# Altium PCB [01]-Robot.PcbDoc (part 2 of 2) (continued)
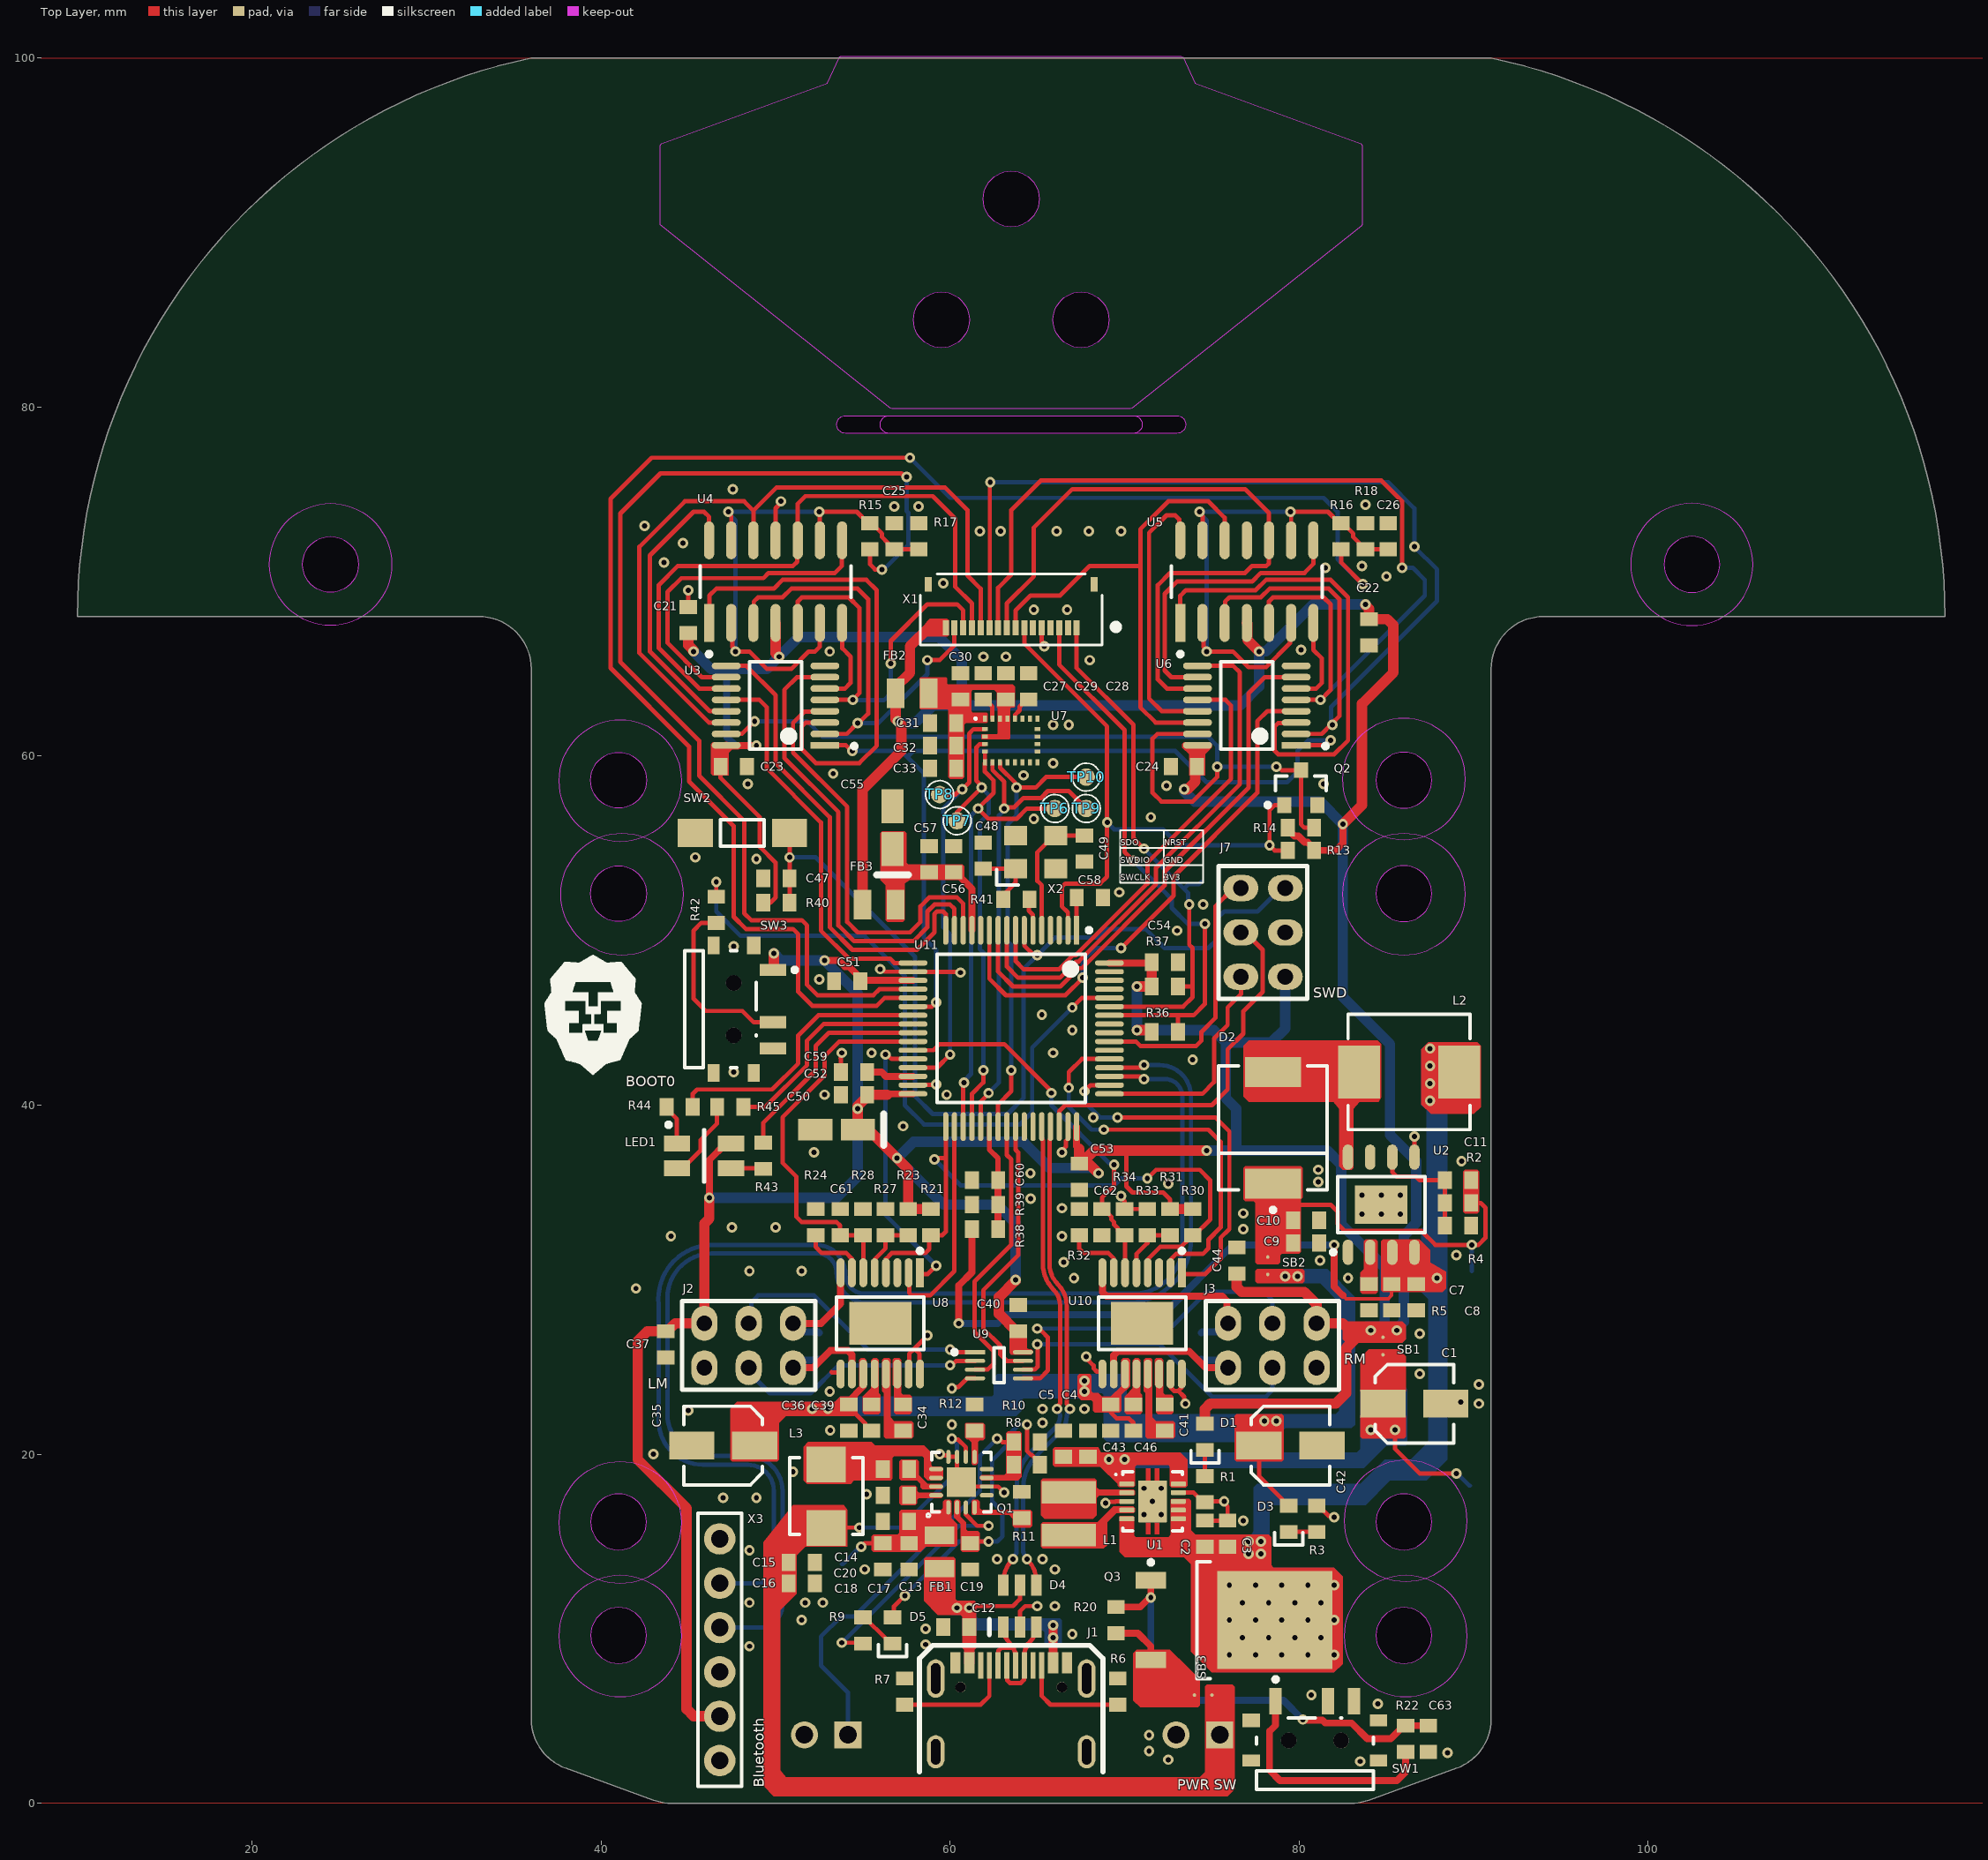
[diagram p0: Top Layer view]
## Nets (pads, with @x,y where several pads share a name; then routed paths per layer and width w, separated by ;. In a path a pad name is that pad's centre, name@x,y a point inside that pad or via, vN(x,y) a via of type N, cw(c..) or ccw(c..) an arc to the next point about the centre after c; other vN are vias at no path point) (continued)
NetD1_K: D1.K R1.2 | length 1.5
  Top Layer w0.25: R1.2@74.6,18.75 D1.K@74.6,20.25
NetD2_2: D2.2 L2.2 U2.8
NetD3_K: D3.K R3.2 | length 1.6
  Top Layer w0.25: D3.K@79.4,15.55 R3.2@81,15.55
NetD5_K: D5.K R9.2 | length 2.3
  Top Layer w0.25: R9.2@55,10.65 55.1,10.65 56.325,9.425 56.425,9.425 D5.K@56.7,9.15
NetJ1_A5: J1.A5 R7.2 | length 6.8
  Top Layer w0.25: R7.2@57.4,5.65 61.75,5.65 62.25,6.15 J1.A5@62.25,7.9
NetJ1_B5: J1.B5 R6.2 | length 6.3
  Top Layer w0.25: J1.B5@65.25,7.9 65.25,6.15 65.75,5.65 R6.2@69.6,5.65
NetJ6_1: J6.1 Q1.7 R8.1 R10.2 | length 23.3
  Top Layer w0.25: v1(62.7,20.9) 62.795,20.9 62.995,20.7 R10.2@63.65,20.7
  Bottom Layer w0.25: J6.1@54.15,3.925 54.15,6.35 52.6,7.9 52.6,9.554 53.746,10.7 54.5,10.7 61.7,17.9 61.7,19.9 v1(62.7,20.9)
NetL1_1: L1.1 U1.4
NetL1_2: L1.2 U1.2
NetLED1_2: LED1.2 R43.2 | length 1.9
  Top Layer w0.25: LED1.2@47.45,36.39 49.26,36.39 R43.2@49.3,36.35
NetLED1_3: LED1.3 R44.2 | length 2.3
  Top Layer w0.25: R44.2@43.75,39.9 43.75,39.8 44.35,39.2 LED1.3@44.35,37.807
NetLED1_4: LED1.4 R45.2 | length 4.7
  Top Layer w0.25: LED1.4@44.35,36.393 44.675,36.718 45.018,36.718 45.7,37.4 45.7,38 46.65,38.95 R45.2@46.65,39.9
NetQ1_3: Q1.3 R9.1 | length 14.4
  Top Layer w0.25: v1(53.8,9.2) 54.95,9.2 R9.1@55,9.15 ; Q1.3@60.9,16.95 60.9,16.544 61.544,15.9 v1(62.2,15.9)
  Bottom Layer w0.25: v1(53.8,9.2) 60.5,15.9 v1(62.2,15.9)
NetQ1_4: Q1.4 R11.2
NetQ1_9: Q1.9 R12.2
NetR5_2: R5.2 U2.2
NetR22_1: R22.1 SW1.1 | length 13.5
  Top Layer w0.4: SW1.1@78.65,5.85 78.65,4.475 78.3,4.125 78.3,1.9 78.9,1.3 85.6,1.3 86.1,1.8 R22.1@86.1,2.95
NetR23_1: R23.1 R27.2 U8.5 | length 3.8
  Top Layer w0.25: U8.5@55.675,30.325 55.675,31.175 56.3,31.8 R27.2@56.3,32.55 R23.1@57.6,32.55
NetR24_2: R24.2 U8.7 | length 3.9
  Top Layer w0.25: R24.2@52.3,32.55 52.3,31.875 52.65,31.525 54.05,31.525 54.375,31.2 U8.7@54.375,30.325
NetR31_1: R31.1 R33.2 U10.5 | length 3.8
  Top Layer w0.25: U10.5@70.675,30.325 70.675,31.475 71.3,32.1 R33.2@71.3,32.55 R31.1@72.6,32.55
NetR32_2: R32.2 U10.7 | length 3.9
  Top Layer w0.25: R32.2@67.4,32.55 67.4,31.775 67.65,31.525 69.075,31.525 69.375,31.225 U10.7@69.375,30.325
NetR41_2: R41.2 U11.6 | length 2
  Top Layer w0.25: R41.2@64.5,51.9 64.5,51.15 64.75,50.9 U11.6@64.75,50.026
NetR42_2: R42.2 U11.60 | length 39.6
  Top Layer w0.25: R42.2@46.6,51.95 v1(46.6,52.8) ; v1(67,45.6) 67.55,46.15 U11.60@69.125,46.15
  Bottom Layer w0.25: v1(46.6,52.8) 46.6,51.1 48,49.7 55.1,49.7 57.4,47.4 57.4,40 58.5,38.9 64,38.9 64.7,39.6 64.7,43.3 v1(67,45.6)
NRST: C47.2 J7.5 R40.1 SW2.1 U11.7 | length 56.3
  Top Layer w0.25: R40.1@50.8,51.6 C47.2@50.8,53 v1(50.8,54.2) SW2.1@50.8,55.6 ; U11.7@64.25,50.025 64.25,49.15 64.8,48.6 v1(65,48.6)
  Bottom Layer w0.25: v1(50.8,54.2) 52.3,54.2 58,48.5 58,40.5 59,39.5 63.3,39.5 64.2,40.4 64.2,47.8 v1(65,48.6) 66,49.6 68.4,49.6 68.9,50.1 71.2,50.1 72.3,49 74.8,49 75.3,49.5 75.3,50.7 75.7,51.1 77.61,51.1 78.95,52.44 J7.5@79.2,52.44
PS_SET: U3.1 U6.1 U11.22 | length 50.1
  Top Layer w0.25: U3.1@52.825,60.625 54.028,60.625 v1@54.353,60.3 ; U11.22@57.875,45.65 58.95,45.65 v1(59.2,45.9) ; U6.1@79.825,60.625 81.525,60.625 v1(81.8,60.9)
  Bottom Layer w0.25: v1@54.421,60.3 57.2,60.3 57.6,59.9 ; v1(59.2,45.9) 59.2,48.9 58.5,49.6 58.5,59 57.6,59.9 ; v1(81.8,60.9) 80.5,60.9 79.9,60.3 79.9,59.1 79.3,58.5 74.7,58.5 72.9,60.3 57.9,60.3 57.6,60 57.6,59.9
  other v1: 54.4,60.3
PSOUT1: U3.4 U11.14 | length 24.7
  Top Layer w0.25: U3.4@52.825,62.575 52.8,62.55 51.65,62.55 51,61.9 51,60.2 54.1,57.1 54.1,50.5 54.7,49.9 57.7,49.9 58.3,50.5 58.3,51.4 58.8,51.9 60.4,51.9 60.75,51.55 U11.14@60.75,50.025
PSOUT2: U3.7 U11.15 | length 27.2
  Top Layer w0.25: U3.7@52.825,64.525 51.225,64.525 50.5,63.8 50.5,59.9 53.6,56.8 53.6,50.3 54.5,49.4 57.9,49.4 58.7,50.2 58.7,51.1 59.1,51.5 60,51.5 60.25,51.25 U11.15@60.25,50.025
PSOUT3: U3.9 U11.16 | length 27.8
  Top Layer w0.25: U3.9@47.175,65.175 48.325,65.175 50,63.5 50,59.6 53.1,56.5 53.1,50.2 54.4,48.9 58.1,48.9 59.1,49.9 59.1,50.954 59.246,51.1 59.6,51.1 59.75,50.95 U11.16@59.75,50.026
PSOUT4: U3.12 U11.17 | length 22.6
  Top Layer w0.25: U3.12@47.175,63.225 49.075,63.225 49.5,62.8 49.5,59.3 52.6,56.2 52.6,50 54.2,48.4 56.554,48.4 56.804,48.15 U11.17@57.875,48.15
PSOUT5: U6.4 U11.11 | length 31.1
  Top Layer w0.25: U11.11@62.25,50.025 62.25,47.25 63.2,46.3 66.6,46.3 v1(67.6,47.3) ; v1(69.8,49) 72.8,52 72.8,53.1 77.6,57.9 77.6,62 78.175,62.575 U6.4@79.825,62.575
  Bottom Layer w0.25: v1(67.6,47.3) 67.6,48.3 68.3,49 v1(69.8,49)
PSOUT6: U6.7 U11.10 | length 30.8
  Top Layer w0.25: U11.10@62.75,50.025 62.75,47.65 63.6,46.8 66.319,46.8 67.371,47.852 67.552,47.852 72.3,52.6 72.3,53.4 77.1,58.2 77.1,63.6 78.025,64.525 U6.7@79.825,64.525
PSOUT7: U6.9 U11.9 | length 29.8
  Top Layer w0.25: U11.9@63.25,50.025 63.25,47.95 63.9,47.3 66.286,47.3 67.215,48.229 67.362,48.229 71.8,52.667 71.8,53.6 76.6,58.4 76.6,64.8 76.225,65.175 U6.9@74.175,65.175
PSOUT8: U6.12 U11.8 | length 25.8
  Top Layer w0.25: U11.8@63.75,50.025 63.75,48.25 64.2,47.8 66.253,47.8 67.059,48.606 67.206,48.606 71.3,52.7 71.3,53.9 76.1,58.7 76.1,62.9 75.775,63.225 U6.12@74.175,63.225
Q1_SW: C14.1 L3.1 Q1.13 Q1.14
REGN: C19.2 D5.A Q1.2 R8.2 | length 20
  Top Layer w0.25: D5.A@56.7,10.65 56.779,10.729 56.779,11.279 v1(57.4,11.9) ; C19.2@61.15,14.9 61.25,15 v1(62.2,15) ; v1(64.4,21.7) 64.4,20.194 64.646,19.948 64.702,19.948 65.15,19.5 R8.2@65.15,19.4
  Bottom Layer w0.25: v1(57.4,11.9) 60.5,15 62.7,15 63,15.3 63,16.7 62.4,17.3 62.4,19.65 63.5,20.75 63.5,21.25 63.948,21.698 64.398,21.698 v1(64.4,21.7)
SCK: TP8.1 U7.2 U11.29 | length 24
  Top Layer w0.25: U11.29@57.875,42.15 59.25,42.15 v1(60,42.9) ; TP8.1@59.4,57.8 60.305,57.8 60.605,58.1 v1(60.7,58.1) 61.1,58.5 61.1,61.3 61.345,61.545 U7.2@61.995,61.545
  Bottom Layer w0.25: v1(60,42.9) 60,49.797 59.6,50.197 59.6,57 v1(60.7,58.1)
SCL: R36.1 TP11.1 U11.58 X1.3 | length 33.4
  Top Layer w0.25: X1.3@66.25,67.355 66.25,65.25 70,61.5 70,54.5 v1(70.5,54) ; U11.58@69.125,45.15 73,45.15 ; R36.1@73.05,44.2 73.05,45.1 73,45.15 ; v1(74.6,50.4) 74.6,45.8 73.95,45.15 73,45.15
  Bottom Layer w0.25: v1(70.5,54) 72.1,52.4 ; TP11.1@71.3,51.7 71.4,51.7 72.1,52.4 ; v1(74.6,50.4) 73.6,50.4 72.7,51.3 72.7,51.8 72.1,52.4
SDA: R37.1 TP12.1 U11.59 X1.1 | length 30.9
  Top Layer w0.25: X1.1@67.25,67.355 67.25,65.05 70.5,61.8 70.5,55.3 v1(71.1,54.7) ; U11.59@69.125,45.65 73.35,45.65 73.9,46.2 73.9,46.8 ; R37.1@73.05,46.8 73.9,46.8 ; v1(73.7,51.5) 73.7,49.2 73.9,49 73.9,46.8
  Bottom Layer w0.25: v1(71.1,54.7) 73.4,52.4 ; v1(73.7,51.5) 73.633,51.567 73.633,52.167 73.4,52.4 ; TP12.1@74.4,52.8 74.256,52.656 73.656,52.656 73.4,52.4
SDO: J7.6 U11.55 | length 15.4
  Top Layer w0.25: U11.55@69.125,43.65 70.65,43.65 70.9,43.4 74.1,43.4 74.4,43.7 74.4,44.2 75.2,45 75.2,51.4 76.24,52.44 J7.6@76.66,52.44
SPI_CS_A/G: TP9.1 U7.7 U11.37 | length 27.3
  Top Layer w0.25: U11.37@61.75,38.775 61.75,40.195 62.2,40.645 v1(62.2,40.7) ; U7.7@62.425,59.65 62.425,59.208 63.1,58.533 v1(63.1,57) 63.167,57.067 63.667,57.067 64.2,57.6 65.2,57.6 65.6,58 66.8,58 TP9.1@67.8,57
  Bottom Layer w0.25: v1(62.2,40.7) 62.8,41.3 62.8,56.605 63.1,56.905 v1(63.1,57) v1@63.033,56.933
SPI_CS_M: TP10.1 U7.8 U11.39 | length 26.1
  Top Layer w0.25: U11.39@62.75,38.775 62.75,40.05 63.5,40.8 v1(63.5,42) ; U7.8@62.855,59.65 62.865,59.64 62.865,59.335 63.733,58.467 63.733,58.267 v1(63.8,58.2) 64.9,58.2 65.5,58.8 TP10.1@67.8,58.8
  Bottom Layer w0.25: v1(63.5,42) 63.5,49.157 63.3,49.357 63.3,56.1 63.8,56.6 v1(63.8,58.2)
SWCLK: J7.2 U11.49 | length 12.9
  Top Layer w0.25: U11.49@69.125,40.65 74.45,40.65 75.123,41.323 75.123,43.823 75.9,44.6 75.9,45.6 76.66,46.36 J7.2@76.66,47.36
SWDIO: J7.4 U11.46 | length 21.5
  Top Layer w0.25: U11.46@66.25,38.775 66.25,39.65 66.6,40 75,40 75.9,40.9 75.9,43.2 76.8,44.1 76.8,45.382 77.912,46.494 77.912,48.898 76.91,49.9 J7.4@76.66,49.9
U1_VOUT: C1.1 C4.2 C5.2 SB1.1 TP1.1 U1.1 U1.10 | length 6.3
  Top Layer w0.25: v1(85.5,21.4) 85.5,20.3 86.9,18.9 v1(89,18.9)
  Bottom Layer w0.25: v1(89,18.9) 89.05,18.9 89.75,18.2 TP1.1@89.8,18.2
  other v1: 69.1,19.7 70,19.7 84.1,21.4
USB_D_N: D4.6 U11.44 | length 27.7
  Top Layer w0.254: D4.6@63.05,12.5 63.05,12.672 cw(c64.928,12.672) v1(63.6,14) ; U11.44@65.25,38.775 65.25,38.117 ccw(c65.351,38.117) 65.28,38.045 cw(c65.208,37.974) 65.309,37.974 65.309,32.5 65.309,32 65.309,30.928 ccw(c67.426,30.928) 65.929,29.432 65.93,29.43 cw(c65.038,28.538) 66.3,28.538 66.3,22.989 cw(c66.005,22.989) 66.214,22.78 66.193,22.76 ccw(c66.353,22.6) v1(66.127,22.6)
  Bottom Layer w0.254: v1(63.6,14) cw(c63.826,14) 63.666,14.16 63.705,14.198 ccw(c63.452,14.451) 63.809,14.451 63.809,18.101 cw(c66.727,18.101) 64.664,20.164 66.029,21.529 ccw(c65.376,22.183) 66.3,22.183 ccw(c65.936,22.183) 66.193,22.44 cw(c66.353,22.6) v1(66.127,22.6)
USB_D_P: D4.4 U11.45 | length 27.7
  Top Layer w0.254: v1(64.4,14) cw(c63.072,12.672) 64.95,12.672 D4.4@64.95,12.5 ; U11.45@65.75,38.775 65.75,38.117 cw(c65.649,38.117) 65.72,38.045 ccw(c65.792,37.974) 65.691,37.974 65.691,32.5 65.691,32 65.691,30.93 ccw(c67.43,30.93) 66.2,29.7 66.203,29.697 cw(c65.047,28.542) 66.681,28.542 66.681,22.989 ccw(c66.976,22.989) 66.768,22.78 66.788,22.76 cw(c66.628,22.6) v1(66.854,22.6)
  Bottom Layer w0.254: v1@64.295,14.198 64.334,14.16 cw(c64.174,14) v1(64.4,14) ; v1@64.295,14.198 cw(c64.548,14.451) 64.191,14.451 64.191,18.099 cw(c66.731,18.099) 64.935,19.895 66.3,21.261 ccw(c65.38,22.181) 66.681,22.181 66.681,22.183 cw(c67.046,22.183) 66.788,22.44 ccw(c66.628,22.6) v1(66.854,22.6)
USB_PORT_D_N: D4.1 J1.A7 J1.B7 | length 4.2
  Top Layer w0.254: J1.B7@62.75,7.9 62.773,7.923 62.773,8.751 62.926,8.904 63.562,8.904 63.663,8.803 ; D4.1@63.05,10.1 63.05,10.045 ccw(c64.245,10.045) 63.4,9.2 cw(c62.555,8.355) 63.551,9.015 ccw(c63.763,9.156) 63.58,8.979 cw(c63.4,8.8) 63.65,8.848 ccw(c63.899,8.897) 63.663,8.803 ; J1.A7@63.75,8.05 63.75,8.355 63.727,8.673 63.727,8.64 cw(c63.942,8.776) 63.699,8.701 ccw(c62.555,8.355) 63.663,8.803
USB_PORT_D_P: D4.3 J1.A6 J1.B6 | length 5
  Top Layer w0.254: J1.A6@63.25,7.9 63.273,7.877 63.273,7.049 63.426,6.896 64.051,6.896 64.227,7.072 64.227,7.877 J1.B6@64.25,7.9 ; J1.B6@64.25,8.05 64.25,8.455 cw(c65.445,8.455) 64.6,9.3 64.632,9.332 ccw(c63.864,10.1) D4.3@64.95,10.1
VBAT: C60.2 R38.1 R39.2 U11.38 | length 5.9
  Top Layer w0.3: U11.38@62.25,38.775 62.25,37.45 62.75,36.95 C60.2@62.75,35.833
  Top Layer w0.4: R38.1@62.75,32.9 R39.2@62.75,34.3 C60.2@62.75,35.7
pads on no net: J1.A8 J1.B8 J1.MH Q1.5 Q1.8 SW1. SW1.3 SW3. U2.7 U7.9 U7.10 U7.11 U7.12 U7.13 U8.3 U10.3 U11.3 U11.4 U11.42 U11.43 U11.54 U11.56 U11.57 U11.61 U11.62 X3.1 X3.6

## Polygon pours and split planes (outlines as drawn)
GND on Bottom Layer "NONET_L02_P000" (solid, remove dead copper, shelved, pour order 0): 0,0 0,100 127.5,100 127.5,0
GND on Top Layer "NONET_L01_P001" (solid, remove dead copper, shelved, pour order 1): 0,0 0,100 127.5,100 127.5,0

## Keep-outs
Keep-Out Layer:
  region: 86,55.188 cw(c86,58.688) 82.5,58.688 cw(c86,58.688) 86,62.188 cw(c86,58.688) 89.5,58.688 cw(c86,58.688)
  region: 86,48.588 cw(c86,52.088) 82.5,52.088 cw(c86,52.088) 86,55.588 cw(c86,52.088) 89.5,52.088 cw(c86,52.088)
  region: 86.1,12.688 cw(c86.1,16.188) 82.6,16.188 cw(c86.1,16.188) 86.1,19.688 cw(c86.1,16.188) 89.6,16.188 cw(c86.1,16.188)
  region: 86.1,6.088 cw(c86.1,9.588) 82.6,9.588 cw(c86.1,9.588) 86.1,13.088 cw(c86.1,9.588) 89.6,9.588 cw(c86.1,9.588)
  region: 41.1,12.588 cw(c41.1,16.088) 37.6,16.088 cw(c41.1,16.088) 41.1,19.588 cw(c41.1,16.088) 44.6,16.088 cw(c41.1,16.088)
  region: 41.1,6.088 cw(c41.1,9.588) 37.6,9.588 cw(c41.1,9.588) 41.1,13.088 cw(c41.1,9.588) 44.6,9.588 cw(c41.1,9.588)
  region: 41.2,48.588 cw(c41.2,52.088) 37.7,52.088 cw(c41.2,52.088) 41.2,55.588 cw(c41.2,52.088) 44.7,52.088 cw(c41.2,52.088)
  region: 41.1,55.088 cw(c41.1,58.588) 37.6,58.588 cw(c41.1,58.588) 41.1,62.088 cw(c41.1,58.588) 44.6,58.588 cw(c41.1,58.588)
  region: 99,70.988 ccw(c102.5,70.988) 102.5,67.488 ccw(c102.5,70.988) 106,70.988 ccw(c102.5,70.988) 102.5,74.488 ccw(c102.5,70.988)
  region: 24.5,67.488 cw(c24.5,70.988) 21,70.988 cw(c24.5,70.988) 24.5,74.488 cw(c24.5,70.988) 28,70.988 cw(c24.5,70.988)
  region: 43.4,90.457 43.4,95 43.466,95.094 52.968,98.553 53.651,100.017 cw(c53.75,100) 53.75,100.1 73.246,100.1 73.337,100.042 74.032,98.553 83.534,95.094 83.6,95 83.6,90.457 83.562,90.378 70.409,79.921 70.346,79.9 56.654,79.9 56.591,79.921

## Other copper
Top Layer:
  region net BAT: 87.543,39.5 87,40.043 87,43.2 87.4,43.6 90.2,43.6 90.4,43.4 90.4,39.9 90,39.5
  region net BAT: 69.7,16.45 70.5,16.45 70.55,16.4 70.55,15.35 70.65,15.25 72.5,15.25 72.65,15.4 72.65,17.4 72.7,17.45 73.7,17.45 73.8,17.35 73.8,15.65 74.05,15.4 78.25,15.4 78.4,15.25 78.4,13.65 78.52,13.5 82,13.5 82.5,13 82.5,8 82,7.5 75,7.5 73.8,8.7 73.8,13.7 73.4,14.1 70,14.1 69.7,14.4
  region net +BAT_RAW: 70.7,8.8 72.6,8.8 73.6,7.8 74.3,7.1 74.3,6 74.3,5.6 74.2,5.5 70.9,5.5 70.5,5.9 70.5,8.6
  region net Q1_SW: 55.7,18.5 54.5,18.5 54.3,18.3 51.8,18.3 51.6,18.5 51.6,20.43 51.87,20.7 55.5,20.7 55.7,20.5
  region net BAT_FB: 74.6,3.1 76.3,3.1 76.3,6.671 76.171,6.8 74.7,6.8 74.6,6.7 74.6,5.4
  region net BAT_FB: 76.3,3.3 76.3,0.8 75.9,0.4 49.9,0.4 49.3,1 49.3,14.975 51,17.1 51.1,17.1 52.1,17.1 53.9,17.1 54.1,16.8 54.1,14.7 51.7,14.7 51.2,14.2 51.2,12 50.274,11.074 50.274,1.9 50.6,1.5 74.3,1.5 74.6,1.8 74.6,3.3
  region net NetC55_1: 57.3,50.5 56.4,50.5 56.3,50.6 56.3,52.6 56,52.9 56,55.6 56.1,55.7 57.4,55.7 57.5,55.6 57.5,53.9 57.6,53.8 60.7,53.8 60.8,53.7 60.8,53 60.7,52.9 57.7,52.9 57.4,52.7 57.4,52.5 57.4,50.6
  region net 3V3: 46.4,60.8 46.3,60.7 46.3,59 46.4,58.9 47.3,58.9 47.3,60.2 47.5,60.4 47.9,60.4 48,60.5 48,60.7 47.9,60.8
  region net 3V3: 59.925,67.8 59.925,66.925 59.85,66.85 58.65,66.85 58.65,67.7 58.825,67.875 59.825,67.875
  region net 3V3: 86.1,26.6 85.9,26.4 82.7,26.4 82.5,26.6 82.5,27.4 82.7,27.6 85.9,27.6 86.1,27.4
  region net 3V3: 73.7,58.9 73.7,60.1 73.3,60.5 73.3,60.7 73.4,60.8 74.9,60.8 75,60.7 75,60.5 74.6,60.1 74.6,58.9
  region net U1_VOUT: 83.5,25.5 84,26 85.7,26 86.1,25.6 86.1,23.6 83.5,23.6
  region net 3V3: 63.4,27.4 64.4,27.4 64.4,26.1 64.5,26 64.65,26 64.75,25.9 64.75,25.8 64.65,25.7 63.5,25.7 63.4,25.8
  region net U1_VOUT: 83.5,22.2 86.1,22.2 86.1,21 86,20.9 83.6,20.9 83.5,21
  region net +12: 77.6,30.6 77.5,30.5 77.5,29.9 77.6,29.8 80.2,29.8 80.3,29.9 80.3,30.5 80.2,30.6
  region net +12: 79,19.6 79.1,19.7 79.1,22.2 79,22.3 76.4,22.3 76.3,22.2 76.3,19.7 76.4,19.6
  region net +12: 68.7,23.3 68.5,23.5 68.2,23.5 68.1,23.6 68.1,24.5 68,24.6 67.4,24.6 67.3,24.5 67.3,23.3 67.5,23.1 68.1,23.1 68.2,23 68.2,22.5 68.3,22.4 68.7,22.4
  region net +VUSB: 60.8,8.8 61.4,8.8 61.5,8.9 61.5,11.5 61.4,11.6 60.4,11.6 60.3,11.7 60.3,14 60.2,14.1 58.6,14.1 58.5,14 58.5,11.6 59.3,10.8 60.6,10.8 60.7,10.7 60.7,8.9
  region net REGN: 60.225,17.325 60.3,17.4 60.5,17.4 60.575,17.325 60.575,16.425 60.902,16.098 60.902,15.698 61,15.6 61.4,15.6 61.6,15.6 61.7,15.5 61.7,14.5 61.6,14.4 60.7,14.4 60.6,14.5 60.6,16 60.225,16.375
  region net NetL1_2: 65.4,16.3 65.2,16.5 65.2,18.5 65.3,18.6 68.3,18.6 68.4,18.5 68.4,18.1 68.55,17.975 70.525,17.975 70.6,17.9 70.6,17.7 70.55,17.65 68.55,17.65 68.4,17.5 68.4,16.5 68.2,16.3
  region net NetQ1_4: 61.275,16.525 61.225,16.575 61.225,17.325 61.3,17.4 61.6,17.4 61.7,17.3 61.7,16.9 61.8,16.8 64.6,16.8 64.7,16.7 64.7,15.9 64.6,15.8 63.7,15.8 63.6,15.9 63.6,16.3 63.375,16.525
  region net NetC29_2: 59.9,62.65 59.85,62.7 58.3,62.7 58.25,62.75 58.25,64.45 58.3,64.5 59.775,64.5 59.825,64.45 59.825,64.15 59.875,64.1 60,64.1 60,62.65
  region net NetC29_2: 61.825,60.975 61.8,61 61.8,61.225 61.825,61.25 62.675,61.25 62.725,61.3 62.725,61.975 63.425,61.975 63.425,61.025 63.375,60.975
  region net NetC29_2: 61.2,63.6 61.2,63.7 61.3,63.8 62.525,63.8 62.675,63.65 63.725,63.65 63.725,63.975 63.6,64.1 60,64.1 59.9,64 59.9,63.6
  region net NetC29_2: 62.725,61.975 62.75,61.95 63.4,61.95 63.425,61.975 63.425,62.725 63.5,62.8 63.675,62.8 63.725,62.85 63.725,63.65 63.675,63.7 62.725,63.7 62.675,63.65 62.675,62.8 62.725,62.75
  region net NetC29_2: 60,58.7 60.7,58.7 60.8,58.8 60.8,61.8 60.9,61.9 62.1,61.9 62.15,61.95 62.15,62.45 62.1,62.5 61.3,62.5 61.2,62.6 61.2,63.6 61.1,63.7 60,63.7 59.9,63.6 59.9,58.8
  region net +12: 69.8,25.4 69.9,25.5 70.2,25.5 70.3,25.4 70.3,23.9 69.8,23.4 69.8,22.5 69.7,22.4 68.7,22.4 68.6,22.5 68.6,23.2 68.7,23.3 69.2,23.3 69.8,23.9
  region net NetC46_1: 71,22.4 70.9,22.3 70.1,22.3 70,22.4 70,23.3 70.1,23.4 70.475,23.775 70.475,25.375 70.6,25.5 70.8,25.5 70.9,25.4 70.9,23.5 71,23.4
  region net NetC41_1: 72.1,25.5 72.2,25.4 72.2,23.5 72.3,23.4 72.7,23.4 72.8,23.3 72.8,22.4 72.7,22.3 71.9,22.3 71.8,22.4 71.8,23.9 71.725,23.975 71.725,25.425 71.8,25.5
  region net NetC41_2: 72.8,21.9 72.9,21.8 72.9,21 72.8,20.9 71.3,20.9 71.2,21 71.2,23.5 71.1,23.6 71.1,25.4 71.2,25.5 71.5,25.5 71.575,25.425 71.575,22.125 71.8,21.9
  region net +12: 50.1,19.6 50.2,19.7 50.2,21.8 50.6,22.2 54.5,22.2 54.7,22.4 54.7,23.3 55.2,23.8 55.2,25.4 55.1,25.5 54.9,25.5 54.8,25.4 54.8,23.9 54.7,23.8 54.2,23.3 53.7,23.3 53.4,23 47.8,23 47.4,22.6 47.4,19.7 47.5,19.6
  region net NetC39_1: 56,22.4 55.9,22.3 55.1,22.3 55,22.4 55,23.3 55.1,23.4 55.475,23.775 55.475,25.375 55.6,25.5 55.8,25.5 55.9,25.4 55.9,23.5 56,23.4
  region net NetC34_2: 57.8,21.9 57.9,21.8 57.9,21 57.8,20.9 56.3,20.9 56.2,21 56.2,23.5 56.1,23.6 56.1,25.4 56.2,25.5 56.5,25.5 56.575,25.425 56.575,22.125 56.8,21.9
  region net NetC34_1: 57.1,25.5 57.2,25.4 57.2,23.5 57.3,23.4 57.7,23.4 57.8,23.3 57.8,22.4 57.7,22.3 56.9,22.3 56.8,22.4 56.8,23.9 56.725,23.975 56.725,25.425 56.8,25.5
  region net NetC9_2: 89.4,33.9 89.5,33.8 90.2,33.8 90.3,33.9 90.3,36.2 90.2,36.3 89.5,36.3 89.4,36.2
  region net NetC9_2: 80.1,31.6 80,31.5 79,31.5 78.9,31.4 78.9,31 78.8,30.9 77.6,30.9 77.5,31 77.5,34.4 77.4,34.5 76.9,34.5 76.8,34.6 76.8,36.4 76.9,36.5 80.1,36.5 80.2,36.4 80.2,34.7 80.1,34.6
  region net NetD2_2: 83,36.3 83.1,36.4 83.1,39.8 83.447,40.2 84.533,40.2 84.7,40.45 84.7,43.5 84.5,43.7 77.1,43.7 76.8,43.4 76.8,40.5 77.1,40.2 81.96,40.2 82.3,39.8 82.3,36.5 82.5,36.3
  region net NetR5_2: 84.5,29.3 84.4,29.2 83.6,29.2 83.5,29.3 83.5,30.4 83.7,30.6 83.7,32.2 83.8,32.3 84.4,32.3 84.5,32.2
  region net BAT: 84.7,32.2 84.8,32.3 86.8,32.3 86.9,32.3 87.5,31.7 87.5,31 88.4,30.466 88.4,29.5 88.2,29.3 84.8,29.3 84.7,29.4 84.7,30
  region net U1_VOUT: 65.9,19.38 66,19.3 68.6,19.3 69.6,18.3 69.6,18.2 69.675,18.125 70.525,18.125 70.6,18.2 70.6,19.3 70.7,19.4 72.5,19.4 72.6,19.3 72.6,18.2 72.7,18.1 73.5,18.1 73.6,18.2 73.6,19.7 73.2,20.1 68.65,20.1 68.5,20.4 66,20.4 65.9,20.3
  region net NetL1_1: 70.5,17 70.6,16.9 70.6,16.7 70.525,16.625 69.525,16.625 69,16.1 69,14.8 68.8,14.6 65.3,14.6 65.2,14.7 65.2,16 65.3,16.1 68.45,16.1 68.6,16.25 69.35,17 69.5,17
  region net NetJ6_1: 61.8,18.5 61.7,18.6 61.7,18.7 61.8,18.8 63.1,18.8 63.2,18.9 63.2,21.2 63.3,21.3 64,21.3 64.1,21.2 64.1,18.7 63.9,18.5 63.1,18.5
  region net Q1_SW: 59.6,18.6 59.5,18.5 58.7,18.5 58.5,18.7 58.5,19.8 58.4,19.9 56.8,19.9 56.7,19.8 56.7,18.6 56.6,18.5 55.7,18.5 55.6,18.6 55.6,20.4 55.7,20.5 58.509,20.5 58.9,20.1 58.9,19.4 59,19.3 59.5,19.3 59.6,19.2
  region net NetQ1_9: 61.225,19.475 61.3,19.4 61.5,19.4 61.6,19.5 61.6,20.7 61.7,20.8 61.9,20.8 62,20.9 62,21.7 61.9,21.8 60.9,21.8 60.85,21.75 60.85,20.95 60.95,20.85 61.05,20.85 61.225,20.675
  region net NetC20_2: 59.5,17.8 59.6,17.7 59.6,17.6 59.5,17.5 58.2,17.5 58.1,17.4 58.1,17.2 58,17.1 57.2,17.1 57.1,17.2 57.1,18.1 57.2,18.2 58,18.2 58.1,18.1 58.1,17.9 58.2,17.8
  region net NetC14_2: 58.7,18.3 59.5,18.3 59.6,18.2 59.6,18.1 59.5,18 58.4,18 58.3,18.1 58.3,18.3 58.1,18.5 57.2,18.5 57.1,18.6 57.1,19.6 57.2,19.7 58.1,19.7 58.2,19.6 58.2,18.8 58.5,18.5
  region net +VBUS: 55.5,15.3 55.6,15.4 57,15.4 57.1,15.5 57.1,16.7 57.2,16.8 59.5,16.8 59.6,16.9 59.6,17.3 59.7,17.4 60,17.4 60.075,17.325 60.075,16.325 60.4,16 60.4,14.8 60.3,14.7 58.6,14.7 58.4,14.5 58.3,14.4 55.6,14.4 55.5,14.5
Bottom Layer:
  region net BAT: 78.3,14.1 78.2,14 76.9,14 76.7,14.2 76.7,15.1 76.9,15.4 77.267,15.4 77.4,15.6 77.4,18.1 77.6,18.3 83.5,18.3 84.9,19.7 86.4,19.7 87.4,20.7 87.4,28.9 87,29.3 87,31.8 87.2,32 88.3,32 88.5,31.8 88.5,19.7 87.3,18.5 85.2,18.5 83.8,17.1 78.5,17.1 78.3,16.9
  region net BAT: 75.25,7.5 82,7.5 82.5,8 82.5,13 82,13.5 75.25,13.5 75,13.25 75,7.75
  region net 3V3: 86.1,26.6 85.9,26.4 83.7,26.4 83.6,26.5 83.6,27.4 83.8,27.6 85.9,27.6 86.1,27.4
  region net BAT: 88.5,31.8 88.5,43.4 88.4,43.6 87.4,43.6 87,43.2 87,40 87.288,39.755 87.288,33.227 87,32.9 87,31.8
  region net +12: 51.2,22.2 51.1,22.3 51.1,22.9 51.2,23 53.4,23 53.7,23.3 62.4,23.3 62.5,23.4 62.5,24.4 62.7,24.6 68,24.6 68.1,24.5 68.1,23.3 68,23.2 64.2,23.2 64.1,23.1 64.1,22.5 63.8,22.2
  region net +12: 68.05,23.25 68.2,23.4 68.3,23.5 68.7,23.5 68.8,23.4 68.8,20.9 69,20.7 79,20.7 79.1,20.8 79.1,21.4 79.2,21.5 79.2,22.1 79,22.3 70.2,22.3 70.1,22.4 70.1,24.5 70,24.6 68,24.6
  region net U1_VOUT: 68.7,19.2 68.6,19.3 68.6,20 68.7,20.1 83.3,20.1 83.5,20.3 83.5,23.7 83.6,23.8 86.1,23.8 86.2,23.7 86.2,20.6 86.1,20.5 85,20.5 83.7,19.2
  region net +12: 78.9,30.6 78.8,30.5 78.8,29.9 78.9,29.8 81.2,29.8 82.3,28.7 82.3,22.5 82.1,22.3 79,22.3 79,21.6 79.1,21.5 83,21.5 83.2,21.7 83.2,29 81.6,30.6
  region net +VUSB: 60.7,10.7 60.6,10.8 60.1,10.8 60,10.9 60,11.5 60.1,11.6 60.8,11.6 60.8,10.8
  region net +VUSB: 65.4,9.8 65.4,9.1 65.5,9 66.3,9 66.4,9.1 66.4,10.5 66.3,10.6 61.6,10.6 61.5,10.7 61.5,11.5 61.4,11.6 60.8,11.6 60.7,11.5 60.7,10 60.8,9.9 65.3,9.9

## Silkscreen, mask and mechanical layers (free items; w line width, h text height)
Top Overlay:
  drawing of 8 lines, arcs and shapes, not listed
  text "SDO" at 69.75,54.75 h0.6
  text "NRST" at 72.25,54.75 h0.6
  text "SWDIO" at 69.75,53.75 h0.6
  text "GND" at 72.25,53.75 h0.6
  text "SWCLK" at 69.75,52.75 h0.6
  text "3V3" at 72.25,52.75 h0.6
  text "SWD" at 80.795,45.968 h1
  text "BOOT0" at 41.415,40.868 h1
  text "RM" at 82.57,24.98 h1
  text "LM" at 42.67,23.568 h1
  text "Bluetooth" at 49.525,0.9 h1 r90
  text "PWR SW" at 73.015,0.584 h1
Bottom Overlay:
  text "SDA" at 75.5,53.75 h0.6
  text "SCL" at 72.3,52.7 h0.6
  text "12V" at 90.75,32.5 h0.6
  text "GND" at 90.75,26.5 h0.6
  text "GND" at 90.75,21.5 h0.6
  text "3V3" at 90.75,16 h0.6
  text "VBUS" at 57,13.25 h0.6
  text "GND" at 57,11.5 h0.6
  text "BTEMP" at 60.312,0.468 h1
  text "BAT" at 70.205,0.468 h1
Bottom Solder:
  region: 78.3,14.1 78.2,14 76.9,14 76.7,14.2 76.7,15.1 76.9,15.4 77.267,15.4 77.4,15.6 77.4,18.1 77.6,18.3 83.5,18.3 84.9,19.7 86.4,19.7 87.4,20.7 87.4,28.9 87,29.3 87,31.8 87.2,32 88.3,32 88.5,31.8 88.5,19.7 87.3,18.5 85.2,18.5 83.8,17.1 78.5,17.1 78.3,16.9
  region: 88.5,31.8 88.5,43.4 88.4,43.6 87.4,43.6 87,43.2 87,40 87.288,39.755 87.288,33.227 87,32.9 87,31.8
Board Shape:
  drawing of 565 lines, arcs and shapes, not listed

## Text inside footprints (layer, text, board x,y; h text height)
D1: Top Assembly "+" at 73.992,22.317 h0.8 r90
D3: Top Assembly "+" at 78.792,17.617 h0.8 r90
D5: Top Assembly "+" at 56.092,11.217 h0.8 r90